# Altium PCB RFFE-Ver1A.PcbDoc (part 3 of 7)
Units mm, origin at the board's own origin, x right, y up, seen from the top; angles counter-clockwise.
Board outline 301.4 x 196.6 mm, 10 copper layers (RFsignal Top, Ground RF signal, Supply, SupplyGND, Digital signal, DigitalGND, CallTone RF, Ground Calltone, Ground RF signal (Plane6), RFsignal Bottom), stack 1.907 mm thick; 558 components, 369 nets, 2153 pads, 4580 vias.
Unrouted connection lines stored in the file: 1.
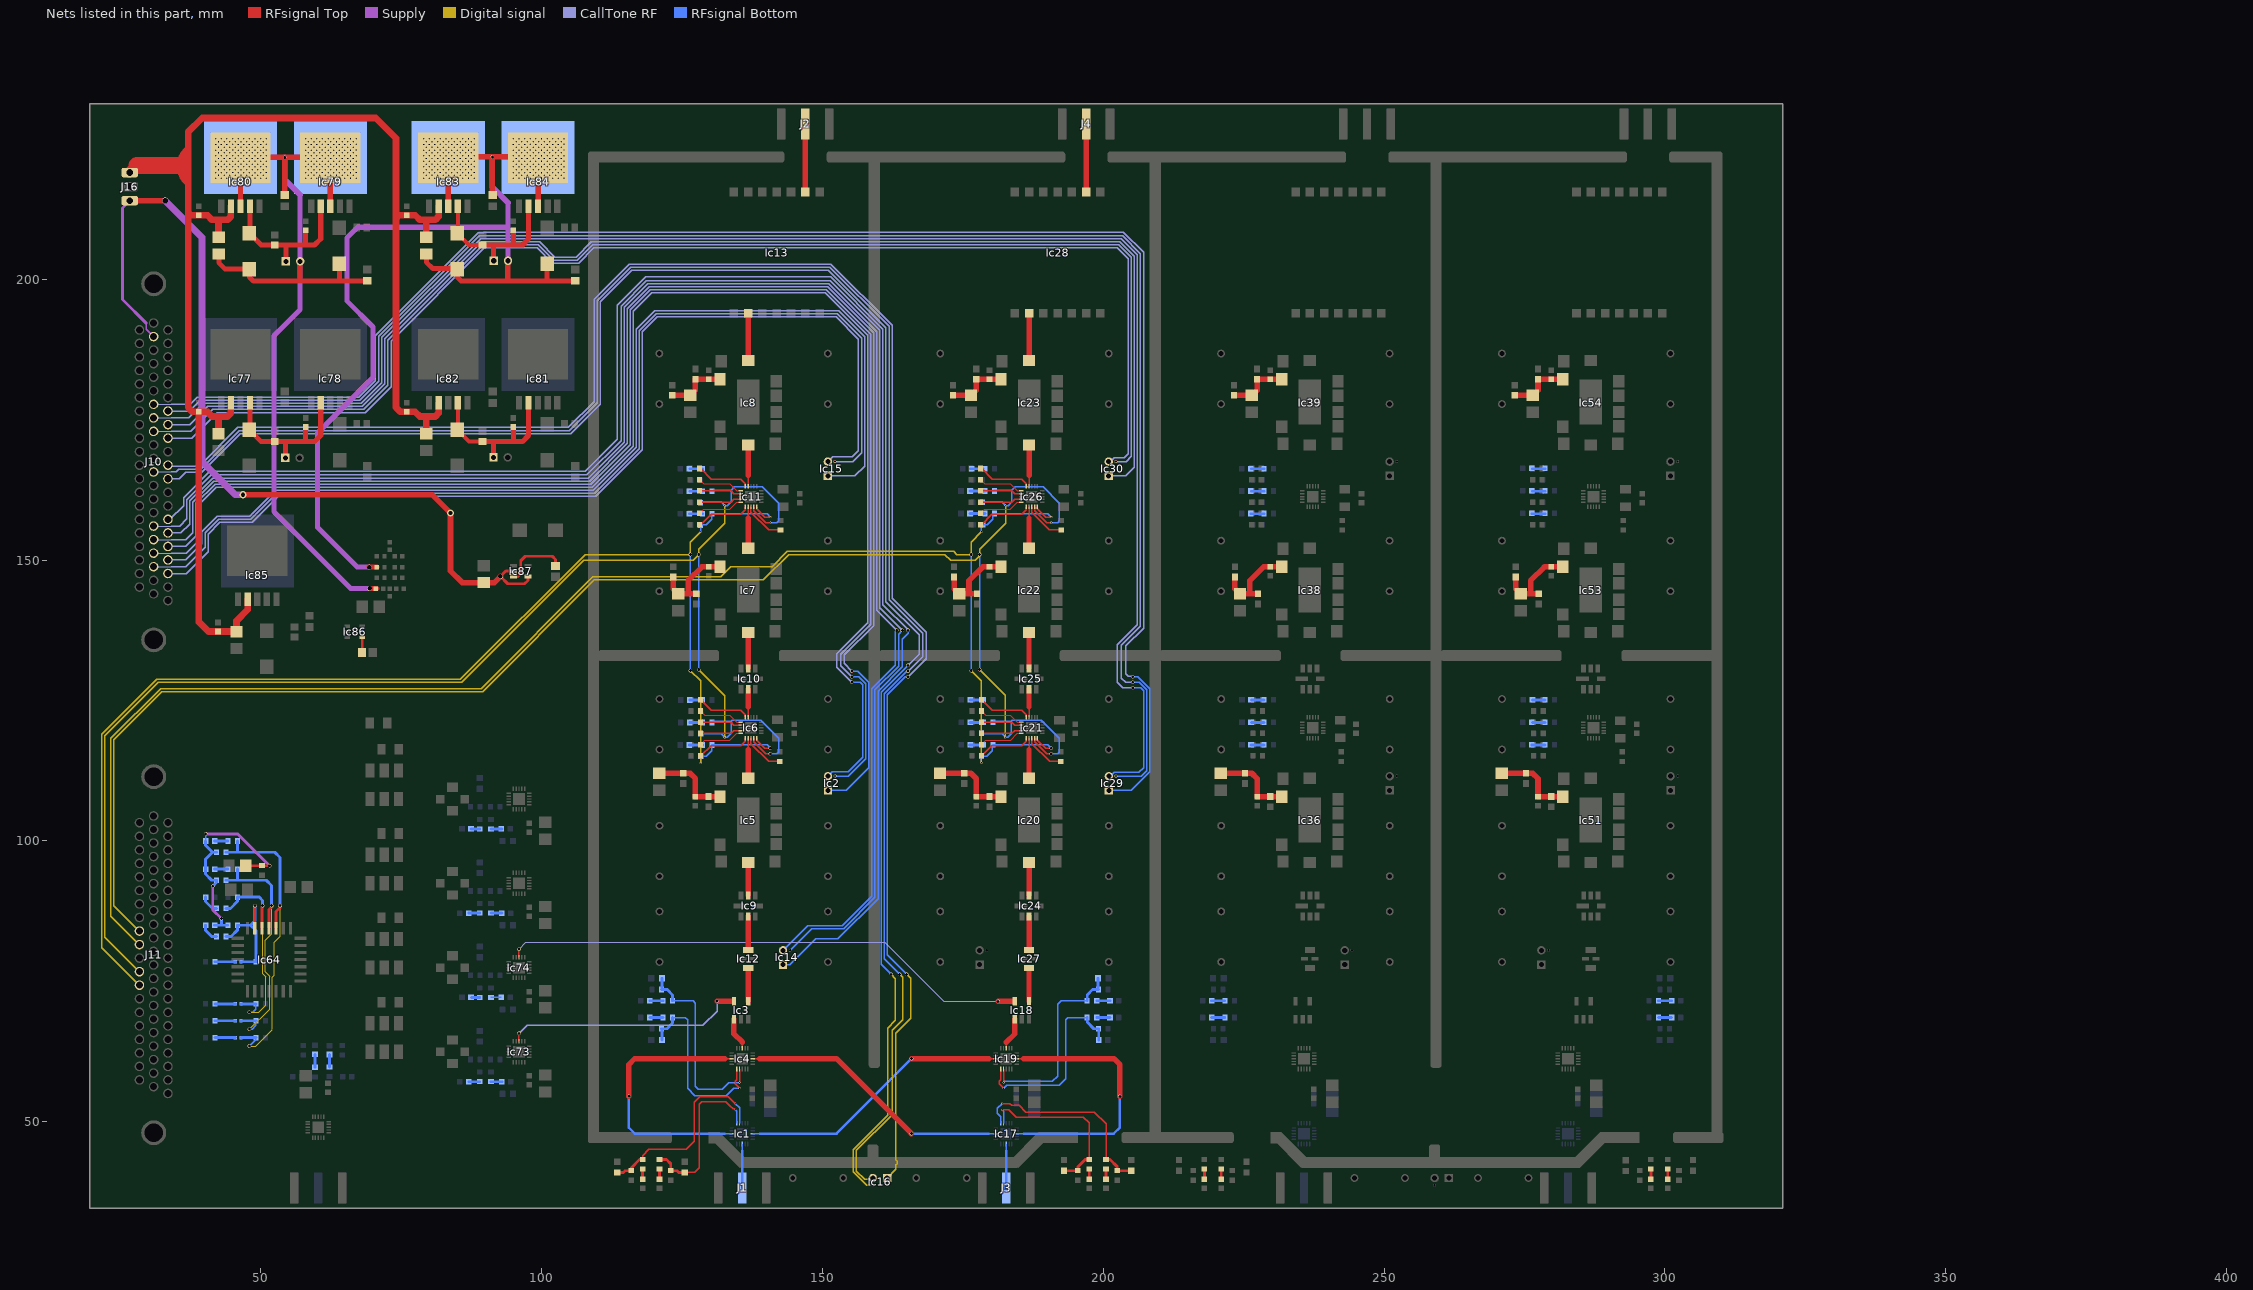
[diagram p11: the nets of this part, all layers, seen from the top]

## Via types
v1: diameter 0.35, hole 0.254, RFsignal Top to RFsignal Bottom, 1882 vias
v2: diameter 0.635, hole 0.508, RFsignal Top to RFsignal Bottom, 1038 vias
v3: diameter 0.33, hole 0.254, RFsignal Top to RFsignal Bottom, 963 vias
v4: diameter 0.381, hole 0.254, RFsignal Top to RFsignal Bottom, 596 vias
v5: diameter 1.27, hole 0.762, RFsignal Top to RFsignal Bottom, 41 vias
v6: diameter 3.9, hole 2.65, RFsignal Top to RFsignal Bottom, 20 vias
v7: diameter 0.85, hole 0.8, RFsignal Top to RFsignal Bottom, 15 vias
v8: diameter 0.635, hole 0.508, RFsignal Top to RFsignal Bottom, tented bottom, 9 vias
v9: diameter 0.6, hole 0.508, RFsignal Top to RFsignal Bottom, 8 vias
v10: diameter 5, hole 3.5, RFsignal Top to RFsignal Bottom, 4 vias
v11: diameter 1.1, hole 1, RFsignal Top to RFsignal Bottom, 2 vias
v12: diameter 1.27, hole 0.762, RFsignal Top to RFsignal Bottom, tented top, 1 vias
v13: diameter 0.85, hole 0.8, RFsignal Top to RFsignal Bottom, tented top, 1 vias

## Nets (pads, with @x,y where several pads share a name; then routed paths per layer and width w, separated by ;. In a path a pad name is that pad's centre, name@x,y a point inside that pad or via, vN(x,y) a via of type N, cw(c..) or ccw(c..) an arc to the next point about the centre after c; other vN are vias at no path point) (continued)
GNDCHC: C114.2 C115.2 C117.2 Ic79.3 Ic79.6 Ic80.3 Ic80.6 J12.2 Jmp1.1 pad.@46.4,221.65 pad.@62.4,221.65 R259.2 R260.2 | length 166.6
  RFsignal Top w0.9: C117.2@42.55,204.5 42.55,202.95 43.7,201.8 C114.2@48,201.8 48,200.4 48.7,199.7 R260.2@68.95,199.7 ; Ic80.3@46.4,213 Ic80.6@46.4,221.65 ; 57.04,199.74 J12.2@57.04,203.2 ; 64,199.75 C115.2@64,202.8 ; v7(69.4,144.96) Jmp1.1@70.69,144.96
  RFsignal Top w1: Ic80.6@46.45,221.7 v2(54.3,221.7) ; R259.2@54.3,215.05 v2(54.3,221.7) ; Ic79.6@62.35,221.7 v2(54.3,221.7) ; Ic79.3@62.4,213 Ic79.6@62.4,221.65
  Supply w0.9: 57.04,215.04 J12.2@57.04,203.2 57.04,194.61 52.345,189.915 52.345,158.655 66.04,144.96 v7(69.4,144.96)
  Supply w1: v2(54.3,221.7) 54.3,217.78 57.04,215.04
  other v1: 42,218 43,218 44,218 45,218.013 46,218 47,218 48,218 49,218 50,218 51,218.013 58,218 59,218 60,218 61,218.013 62,218 63,218 64,218 65,218 66,218 67,218.013 42.5,218.5 43.5,218.5 44.5,218.5 46.5,218.5 47.5,218.5 48.5,218.5 49.5,218.5 50.5,218.5 58.5,218.5 59.5,218.5 60.5,218.5 62.5,218.5 63.5,218.5 64.5,218.5 65.5,218.5 66.5,218.5 45.5,218.513 61.5,218.513 42,219 43,219 44,219 46,219 47,219 48,219 49,219 50,219 58,219 59,219 60,219 62,219 63,219 64,219 65,219 66,219 45,219.013 51,219.013 61,219.013 67,219.013 42.5,219.5 43.5,219.5 44.5,219.5 45.5,219.513 46.5,219.5 47.5,219.5 48.5,219.5 49.5,219.5 50.5,219.5 58.5,219.5 59.5,219.5 60.5,219.5 61.5,219.513 62.5,219.5 63.5,219.5 64.5,219.5 65.5,219.5 66.5,219.5 42,220 43,220 44,220 46,220 47,220 48,220 49,220 50,220 58,220 59,220 60,220 62,220 63,220 64,220 65,220 66,220 45,220.013 51,220.013 61,220.013 67,220.013 42.5,220.5 43.5,220.5 44.5,220.5 46.5,220.5 47.5,220.5 48.5,220.5 49.5,220.5 50.5,220.5 58.5,220.5 59.5,220.5 60.5,220.5 62.5,220.5 63.5,220.5 64.5,220.5 65.5,220.5 66.5,220.5 45.5,220.513 61.5,220.513 42,221 43,221 44,221 45,221.013 46,221 47,221 48,221 49,221 50,221 51,221.013 58,221 59,221 60,221 61,221.013 62,221 63,221 64,221 65,221 66,221 67,221.013 42.5,221.5 43.5,221.5 44.5,221.5 46.5,221.5 47.5,221.5 48.5,221.5 49.5,221.5 50.5,221.5 58.5,221.5 59.5,221.5 60.5,221.5 62.5,221.5 63.5,221.5 64.5,221.5 65.5,221.5 66.5,221.5 45.5,221.513 61.5,221.513 42,222 43,222 44,222 46,222 47,222 48,222 49,222 50,222 58,222 59,222 60,222 62,222 63,222 64,222 65,222 66,222 45,222.013 51,222.013 61,222.013 67,222.013 42.5,222.5 43.5,222.5 44.5,222.5 45.5,222.513 46.5,222.5 47.5,222.5 48.5,222.5 49.5,222.5 50.5,222.5 58.5,222.5 59.5,222.5 60.5,222.5 61.5,222.513 62.5,222.5 63.5,222.5 64.5,222.5 65.5,222.5 66.5,222.5 42,223 43,223 44,223 45,223.013 46,223 47,223 48,223 49,223 50,223 51,223.013 58,223 59,223 60,223 61,223.013 62,223 63,223 64,223 65,223 66,223 67,223.013 42.5,223.5 43.5,223.5 44.5,223.5 46.5,223.5 47.5,223.5 48.5,223.5 49.5,223.5 50.5,223.5 58.5,223.5 59.5,223.5 60.5,223.5 62.5,223.5 63.5,223.5 64.5,223.5 65.5,223.5 66.5,223.5 45.5,223.513 61.5,223.513 42,224 43,224 44,224 45,224.013 46,224 47,224 48,224 49,224 50,224 51,224.013 58,224 59,224 60,224 61,224.013 62,224 63,224 64,224 65,224 66,224 67,224.013 42.5,224.5 43.5,224.5 44.5,224.5 45.5,224.513 46.5,224.5 47.5,224.5 48.5,224.5 49.5,224.5 50.5,224.5 58.5,224.5 59.5,224.5 60.5,224.5 61.5,224.513 62.5,224.5 63.5,224.5 64.5,224.5 65.5,224.5 66.5,224.5 42,225 43,225 44,225 46,225 47,225 48,225 49,225 50,225 58,225 59,225 60,225 62,225 63,225 64,225 65,225 66,225 45,225.013 51,225.013 61,225.013 67,225.013
GNDCHD: C120.2 C121.2 C123.2 Ic83.3 Ic83.6 Ic84.3 Ic84.6 J14.2 Jmp2.1 pad.@83.4,221.65 pad.@99.4,221.65 R271.2 R272.2 | length 196.6
  RFsignal Top w0.9: v7(69.32,148.76) Jmp2.1@70.69,148.76 ; C123.2@79.5,204.6 79.5,203.05 80.65,201.9 C120.2@84.95,201.9 ; C120.2@85,201.8 85,200.4 85.7,199.7 R272.2@105.95,199.7 ; 93.99,199.84 J14.2@93.99,203.3 ; 101,199.75 C121.2@101,202.8
  RFsignal Top w1: Ic83.3@83.4,213 Ic83.6@83.4,221.65 ; Ic83.6@83.4,221.8 v2(91.25,221.8) ; R271.2@91.25,215.1 v2(91.25,221.8) ; Ic84.6@99.3,221.8 v2(91.25,221.8) ; Ic84.3@99.4,213 Ic84.6@99.4,221.65
  Supply w0.9: v7(69.32,148.76) 67.193,148.76 60.122,155.831 60.122,172.632 70.01,182.52 70.01,191.495 65.35,196.155 65.35,207.35 67.26,209.26 93.97,209.26 ; J14.2@94.04,203.3 94.04,213.635
  Supply w1: v2(91.25,221.8) 91.25,216.425 94.04,213.635
  other v1: 79,218 80,218 81,218 82,218.013 83,218 84,218 85,218 86,218 87,218 88,218.013 95,218 96,218 97,218 98,218.013 99,218 100,218 101,218 102,218 103,218 104,218.013 79.5,218.5 80.5,218.5 81.5,218.5 83.5,218.5 84.5,218.5 85.5,218.5 86.5,218.5 87.5,218.5 95.5,218.5 96.5,218.5 97.5,218.5 99.5,218.5 100.5,218.5 101.5,218.5 102.5,218.5 103.5,218.5 82.5,218.513 98.5,218.513 79,219 80,219 81,219 83,219 84,219 85,219 86,219 87,219 95,219 96,219 97,219 99,219 100,219 101,219 102,219 103,219 82,219.013 88,219.013 98,219.013 104,219.013 79.5,219.5 80.5,219.5 81.5,219.5 82.5,219.513 83.5,219.5 84.5,219.5 85.5,219.5 86.5,219.5 87.5,219.5 95.5,219.5 96.5,219.5 97.5,219.5 98.5,219.513 99.5,219.5 100.5,219.5 101.5,219.5 102.5,219.5 103.5,219.5 79,220 80,220 81,220 83,220 84,220 85,220 86,220 87,220 95,220 96,220 97,220 99,220 100,220 101,220 102,220 103,220 82,220.013 88,220.013 98,220.013 104,220.013 79.5,220.5 80.5,220.5 81.5,220.5 83.5,220.5 84.5,220.5 85.5,220.5 86.5,220.5 87.5,220.5 95.5,220.5 96.5,220.5 97.5,220.5 99.5,220.5 100.5,220.5 101.5,220.5 102.5,220.5 103.5,220.5 82.5,220.513 98.5,220.513 79,221 80,221 81,221 82,221.013 83,221 84,221 85,221 86,221 87,221 88,221.013 95,221 96,221 97,221 98,221.013 99,221 100,221 101,221 102,221 103,221 104,221.013 79.5,221.5 80.5,221.5 81.5,221.5 83.5,221.5 84.5,221.5 85.5,221.5 86.5,221.5 87.5,221.5 95.5,221.5 96.5,221.5 97.5,221.5 99.5,221.5 100.5,221.5 101.5,221.5 102.5,221.5 103.5,221.5 82.5,221.513 98.5,221.513 79,222 80,222 81,222 83,222 84,222 85,222 86,222 87,222 95,222 96,222 97,222 99,222 100,222 101,222 102,222 103,222 82,222.013 88,222.013 98,222.013 104,222.013 79.5,222.5 80.5,222.5 81.5,222.5 82.5,222.513 83.5,222.5 84.5,222.5 85.5,222.5 86.5,222.5 87.5,222.5 95.5,222.5 96.5,222.5 97.5,222.5 98.5,222.513 99.5,222.5 100.5,222.5 101.5,222.5 102.5,222.5 103.5,222.5 79,223 80,223 81,223 82,223.013 83,223 84,223 85,223 86,223 87,223 88,223.013 95,223 96,223 97,223 98,223.013 99,223 100,223 101,223 102,223 103,223 104,223.013 79.5,223.5 80.5,223.5 81.5,223.5 83.5,223.5 84.5,223.5 85.5,223.5 86.5,223.5 87.5,223.5 95.5,223.5 96.5,223.5 97.5,223.5 99.5,223.5 100.5,223.5 101.5,223.5 102.5,223.5 103.5,223.5 82.5,223.513 98.5,223.513 79,224 80,224 81,224 82,224.013 83,224 84,224 85,224 86,224 87,224 88,224.013 95,224 96,224 97,224 98,224.013 99,224 100,224 101,224 102,224 103,224 104,224.013 79.5,224.5 80.5,224.5 81.5,224.5 82.5,224.513 83.5,224.5 84.5,224.5 85.5,224.5 86.5,224.5 87.5,224.5 95.5,224.5 96.5,224.5 97.5,224.5 98.5,224.513 99.5,224.5 100.5,224.5 101.5,224.5 102.5,224.5 103.5,224.5 79,225 80,225 81,225 83,225 84,225 85,225 86,225 87,225 95,225 96,225 97,225 99,225 100,225 101,225 102,225 103,225 82,225.013 88,225.013 98,225.013 104,225.013
NetC1_2: C1.2 C131.1 C132.1 Ic5.7 L1.1 | length 14.5
  RFsignal Top w1: C131.1@120.95,112.05 L1.1@125.25,112.05 126.45,112.05 127.4,111.1 C1.2@127.4,107.9 127.44,107.86 Ic5.7@131.79,107.86
NetC2_1: C2.1 C133.1 C134.1 Ic8.7 L2.2 | length 10.9
  RFsignal Top w1: L2.2@123.28,179.34 C133.1@126.47,179.34 127.4,180.27 C134.1@127.4,182.22 C2.1@129.75,182.22 Ic8.7@131.8,182.22
NetC3_2: C3.2 C135.1 C136.1 Ic7.7 L3.1 | length 15.6
  RFsignal Top w1: L3.1@123.45,147 123.45,144.9 C135.1@124.35,144 C136.1@127.55,144 ; 126.1,144 126.1,146.35 128.55,148.8 C3.2@129.75,148.8 Ic7.7@131.78,148.8
NetC8_1: C8.1 R22.1 | length 2.2
  RFsignal Bottom w0.508: C8.1@126.4,125.1 R22.1@128.65,125.1
NetC9_1: C9.1 R23.1 | length 2.2
  RFsignal Bottom w0.508: C9.1@126.4,121.1 R23.1@128.65,121.1
NetC10_1: C10.1 R24.1 | length 2.3
  RFsignal Bottom w0.508: C10.1@126.3,117.1 R24.1@128.65,117.1
NetC11_1: C11.1 R27.1 | length 2.2
  RFsignal Bottom w0.508: C11.1@126.4,166.27 R27.1@128.65,166.27
NetC12_1: C12.1 R28.1 | length 2.2
  RFsignal Bottom w0.508: C12.1@126.4,162.27 R28.1@128.65,162.27
NetC13_1: C13.1 R29.1 | length 2.3
  RFsignal Bottom w0.508: C13.1@126.3,158.27 R29.1@128.65,158.27
NetC14_2: C14.2 R30.1 | length 3.7
  RFsignal Top w0.508: C14.2@121,39.75 C14.2@120.98,39.75 ; R30.1@121,41.6 R30.1@120.98,41.6 ; C14.2@120.98,39.75 R30.1@120.98,41.6 ; C14.2@120.98,39.75 R30.1@120.98,41.6
NetC15_2: C15.2 R31.1 | length 1.9
  RFsignal Top w0.508: C15.2@118,39.75 R31.1@118,41.6
NetC16_2: C16.2 R32.1 | length 2.4
  RFsignal Bottom w0.508: C16.2@119.3,68.57 R32.1@121.65,68.57
NetC17_2: C17.2 R33.1 | length 2.4
  RFsignal Bottom w0.508: C17.2@119.3,71.57 R33.1@121.65,71.57
NetC22_1: C22.1 C138.1 C140.1 Ic23.7 L4.2 | length 10.9
  RFsignal Top w1: L4.2@173.28,179.34 C138.1@176.47,179.34 177.4,180.27 C140.1@177.4,182.22 C22.1@179.75,182.22 Ic23.7@181.8,182.22
NetC23_2: C23.2 C137.1 C139.1 Ic20.7 L5.1 | length 14.5
  RFsignal Top w1: C137.1@170.95,112.05 L5.1@175.25,112.05 176.45,112.05 177.4,111.1 C23.2@177.4,107.9 177.44,107.86 Ic20.7@181.79,107.86
NetC24_2: C24.2 C141.1 C144.1 Ic22.7 L6.1 | length 15.6
  RFsignal Top w1: L6.1@173.45,147 173.45,144.9 C141.1@174.35,144 176.1,144 ; C144.1@177.55,144 176.1,144 ; Ic22.7@181.79,148.81 178.56,148.81 176.1,146.35 176.1,144
NetC29_1: C29.1 R74.1 | length 2.2
  RFsignal Bottom w0.508: C29.1@176.3,125.1 R74.1@178.55,125.1
NetC30_1: C30.1 R75.1 | length 2.2
  RFsignal Bottom w0.508: C30.1@176.3,121.1 R75.1@178.55,121.1
NetC31_1: C31.1 R76.1 | length 2.3
  RFsignal Bottom w0.508: C31.1@176.2,117.1 R76.1@178.55,117.1
NetC32_1: C32.1 R77.1 | length 2.2
  RFsignal Bottom w0.508: C32.1@176.4,166.27 R77.1@178.65,166.27
NetC33_1: C33.1 R78.1 | length 2.7
  RFsignal Bottom w0.508: C33.1@176.28,162.3 R78.1@178.93,162.3
NetC34_1: C34.1 R79.1 | length 2.7
  RFsignal Bottom w0.508: C34.1@176.28,158.3 R79.1@178.93,158.3
NetC35_2: C35.2 R80.1 | length 3.7
  RFsignal Top w0.508: C35.2@200.5,39.75 C35.2@200.508,39.758 ; R80.1@200.5,41.6 R80.1@200.508,41.6 ; C35.2@200.508,39.758 R80.1@200.508,41.6 ; C35.2@200.508,39.758 R80.1@200.508,41.6
NetC36_2: C36.2 R81.1 | length 3.7
  RFsignal Top w0.508: C36.2@197.5,39.75 C36.2@197.51,39.76 ; R81.1@197.5,41.6 R81.1@197.51,41.6 ; C36.2@197.51,39.76 R81.1@197.51,41.6 ; C36.2@197.51,39.76 R81.1@197.51,41.6
NetC37_2: C37.2 R82.1 | length 2.4
  RFsignal Bottom w0.508: R82.1@198.85,68.57 C37.2@201.2,68.57
NetC38_2: C38.2 R83.1 | length 2.4
  RFsignal Bottom w0.508: R83.1@198.85,71.57 C38.2@201.2,71.57
NetC43_1: C43.1 C142.1 C145.1 Ic36.7 L7.1 | length 14.5
  RFsignal Top w1: C142.1@220.95,112.05 L7.1@225.25,112.05 226.45,112.05 227.4,111.1 C43.1@227.4,107.9 227.44,107.86 Ic36.7@231.79,107.86
NetC44_1: C44.1 C147.1 C148.1 Ic39.7 L8.2 | length 10.9
  RFsignal Top w1: L8.2@223.28,179.34 C147.1@226.47,179.34 227.4,180.27 C148.1@227.4,182.22 Ic39.7@231.8,182.22
NetC45_2: C45.2 C143.1 C146.1 Ic38.7 L9.1 | length 15.5
  RFsignal Top w1: L9.1@223.45,147 223.45,144.9 C143.1@224.35,144 C146.1@227.55,144 ; 226.1,144.15 226.1,146.35 228.56,148.81 Ic38.7@231.79,148.81
NetC50_1: C50.1 R122.1 | length 2.2
  RFsignal Bottom w0.508: C50.1@226.4,125.1 R122.1@228.65,125.1
NetC51_1: C51.1 R123.1 | length 2.2
  RFsignal Bottom w0.508: C51.1@226.4,121.1 R123.1@228.65,121.1
NetC52_1: C52.1 R124.1 | length 2.3
  RFsignal Bottom w0.508: C52.1@226.3,117.1 R124.1@228.65,117.1
NetC53_1: C53.1 R125.1 | length 2.2
  RFsignal Bottom w0.508: C53.1@226.4,166.27 R125.1@228.65,166.27
NetC54_1: C54.1 R126.1 | length 2.2
  RFsignal Bottom w0.508: C54.1@226.4,162.27 R126.1@228.65,162.27
NetC55_1: C55.1 R127.1 | length 2.3
  RFsignal Bottom w0.508: C55.1@226.3,158.27 R127.1@228.65,158.27
NetC56_2: C56.2 R128.1 | length 3.7
  RFsignal Top w0.508: C56.2@221,39.75 C56.2@221.005,39.755 ; R128.1@221,41.6 R128.1@221.005,41.6 ; C56.2@221.005,39.755 R128.1@221.005,41.6 ; C56.2@221.005,39.755 R128.1@221.005,41.6
NetC57_2: C57.2 R129.1 | length 3.7
  RFsignal Top w0.508: C57.2@218,39.75 C57.2@218.008,39.758 ; R129.1@218,41.6 R129.1@218.008,41.6 ; C57.2@218.008,39.758 R129.1@218.008,41.6 ; C57.2@218.008,39.758 R129.1@218.008,41.6
NetC58_2: C58.2 R130.1 | length 2.4
  RFsignal Bottom w0.508: C58.2@219.3,68.57 R130.1@221.65,68.57
NetC59_2: C59.2 R131.1 | length 2.4
  RFsignal Bottom w0.508: C59.2@219.3,71.57 R131.1@221.65,71.57
NetC64_2: C64.2 C149.1 C151.1 Ic51.7 L10.1 | length 14.5
  RFsignal Top w1: C149.1@270.95,112.05 L10.1@275.25,112.05 276.45,112.05 277.4,111.1 C64.2@277.4,107.9 281.75,107.9 Ic51.7@281.79,107.86
NetC65_1: C65.1 C153.1 C154.1 Ic54.7 L11.2 | length 10.9
  RFsignal Top w1: L11.2@273.28,179.34 C154.1@276.47,179.34 277.4,180.27 C153.1@277.4,182.22 C65.1@279.75,182.22 Ic54.7@281.8,182.22
NetC66_2: C66.2 C150.1 C152.1 Ic53.7 L12.1 | length 15.5
  RFsignal Top w1: L12.1@273.45,147 273.45,144.9 C150.1@274.35,144 C152.1@277.55,144 ; 276.1,144.15 276.1,146.35 278.56,148.81 Ic53.7@281.79,148.81
NetC72_1: C72.1 R174.1 | length 2.2
  RFsignal Bottom w0.508: C72.1@276.4,125.1 R174.1@278.65,125.1
NetC73_1: C73.1 R175.1 | length 2.2
  RFsignal Bottom w0.508: C73.1@276.4,121.1 R175.1@278.65,121.1
NetC74_1: C74.1 R176.1 | length 2.3
  RFsignal Bottom w0.508: C74.1@276.3,117.1 R176.1@278.65,117.1
NetC75_2: C75.2 R180.1 | length 2.4
  RFsignal Bottom w0.508: R180.1@298.85,68.57 C75.2@301.2,68.57
NetC76_2: C76.2 R181.1 | length 2.4
  RFsignal Bottom w0.508: R181.1@298.85,71.57 C76.2@301.2,71.57
NetC77_1: C77.1 R177.1 | length 2.2
  RFsignal Bottom w0.508: C77.1@276.4,166.27 R177.1@278.65,166.27
NetC78_1: C78.1 R178.1 | length 2.2
  RFsignal Bottom w0.508: C78.1@276.4,162.27 R178.1@278.65,162.27
NetC79_1: C79.1 R179.1 | length 2.3
  RFsignal Bottom w0.508: C79.1@276.3,158.27 R179.1@278.65,158.27
NetC80_2: C80.2 R182.1 | length 1.9
  RFsignal Top w0.508: C80.2@300.5,39.75 R182.1@300.5,41.6
NetC81_2: C81.2 R183.1 | length 3.7
  RFsignal Top w0.508: C81.2@297.5,39.75 C81.2@297.51,39.76 ; R183.1@297.5,41.6 R183.1@297.51,41.6 ; C81.2@297.51,39.76 R183.1@297.51,41.6 ; C81.2@297.51,39.76 R183.1@297.51,41.6
NetC87_1: C87.1 R207.1 | length 2.2
  RFsignal Bottom w0.508: R207.1@62.25,59.74 C87.1@62.25,61.97
NetC88_1: C88.1 R208.1 | length 2.3
  RFsignal Bottom w0.508: R208.1@59.68,59.72 C88.1@59.68,62.02
NetC89_1: C89.1 R209.1 | length 3.2
  RFsignal Bottom w0.508: C89.1@40.2,90 40.2,89.2 41.4,88 R209.1@42.15,88
NetC90_1: C90.1 R210.1 | length 3.3
  RFsignal Bottom w0.508: C90.1@40.2,85 40.2,84.1 41.3,83 R210.1@42.15,83
NetC90_2: C90.2 C91.2 C92.2 C95.1 R216.1 R217.1 R218.1 R219.2 | length 40.4
  RFsignal Top w0.508: C95.1@47.35,95.6 R219.2@50.25,95.6 v2@51.583,95.6
  Supply w0.508: v2@40.284,101.255 45.928,101.255 v2(51.594,95.589) ; v2(41.48,91.932) 41.48,87.703 v2(43.008,86.175)
  RFsignal Bottom w0.254: C91.2@40.204,100.004 v2(40.204,101.255)
  RFsignal Bottom w0.508: C91.2@40.2,100 40.2,99.25 41.45,98 ; v2(41.48,91.932) 42.15,92.602 R218.1@42.15,93 41.3,93 40.2,94.1 C92.2@40.2,95 40.2,96.75 41.45,98 ; C90.2@41.8,85 R216.1@44.15,85 ; R217.1@42.15,98 41.45,98 ; 43.008,85.031 v2(43.008,86.175)
NetC91_1: C91.1 R211.1 | length 2.4
  RFsignal Bottom w0.508: C91.1@41.8,100 R211.1@44.15,100
NetC92_1: C92.1 R212.1 | length 2.4
  RFsignal Bottom w0.508: C92.1@41.8,95 R212.1@44.15,95
NetC96_1: C96.1 R233.1 | length 1.9
  RFsignal Bottom w0.508: C96.1@87.05,57.15 R233.1@89,57.15
NetC97_1: C97.1 R234.1 | length 1.9
  RFsignal Bottom w0.508: R234.1@91,57.15 C97.1@92.95,57.15
NetC98_1: C98.1 R235.1 | length 1.5
  RFsignal Bottom w0.508: C98.1@87.525,72.15 R235.1@89,72.15
NetC99_1: C99.1 R236.1 | length 1.8
  RFsignal Bottom w0.254: R236.1@91,72.15 C99.1@92.85,72.15
NetC100_1: C100.1 R237.1 | length 1.5
  RFsignal Bottom w0.508: C100.1@87.45,102.15 R237.1@89,102.15
NetC101_1: C101.1 R238.1 | length 1.9
  RFsignal Bottom w0.508: R238.1@91,102.15 C101.1@92.95,102.15
NetC102_1: C102.1 R239.1 | length 1.9
  RFsignal Bottom w0.508: C102.1@87.05,87.15 R239.1@89,87.15
NetC103_1: C103.1 R240.1 | length 1.9
  RFsignal Bottom w0.508: R240.1@91,87.15 C103.1@92.95,87.15
NetC112_1: C112.1 Ic77.4 Ic78.2 J13.1 R250.2 R253.1 | length 30.1
  RFsignal Top w0.9: Ic77.4@48.102,178 48.102,173.302 C112.1@48,173.2 50.1,171.1 R253.1@52.5,171.1 59.6,171.1 60.698,172.198 Ic78.2@60.698,178 ; J13.1@54.45,168.2 54.45,171 ; 58,171.1 R250.2@58,173.7
NetC114_1: C114.1 Ic79.2 Ic80.4 J12.1 R252.2 R255.1 | length 29.9
  RFsignal Top w0.9: C114.1@48,208.2 50.1,206.1 58,206.1 ; C114.1@48.102,208.302 Ic80.4@48.102,213 ; J12.1@54.5,203.2 54.5,206 ; R252.2@58,208.7 58,206.1 ; Ic79.2@60.698,213 60.698,207.198 59.6,206.1 58,206.1
NetC116_1: C116.1 C117.1 C122.1 C123.1 C128.1 Ic77.2 Ic80.2 Ic82.2 Ic83.2 Ic85.2 J16.1 R249.2 R251.2 R261.2 R263.2 R273.2 | length 260.3
  RFsignal Top w0.508: 37.1,212.6 cw(c36,211.4) 37.628,211.4 ; 74.1,212.51 cw(c73,211.31) 74.2,210.21
  RFsignal Top w1.2: 37.137,211.4 37.628,211.4 R251.2@39,211.4 40.52,211.4 41.341,210.579 44.101,210.579 44.698,211.176 Ic80.2@44.698,213 ; C116.1@42.5,172.5 42.5,175.577 ; C117.1@42.5,207.5 42.5,210.577 ; Ic77.2@44.698,178 44.698,176.176 44.101,175.579 41.341,175.579 40.52,176.4 R249.2@39,176.4 ; C128.1@45.65,137.3 R273.2@42.4,137.3 40.7,137.3 39,139 R249.2@39,176.4 ; C128.1@45.7,137.25 45.7,139.2 47.698,141.198 Ic85.2@47.698,143 ; 74.137,211.4 77.52,211.4 78.341,210.579 81.101,210.579 81.698,211.176 Ic83.2@81.698,213 ; C122.1@79.5,172.5 79.5,175.577 ; C123.1@79.5,207.5 79.5,210.577 ; Ic82.2@81.698,178 81.698,176.176 81.101,175.579 78.341,175.579 77.52,176.4 R261.2@76,176.4 74.9,176.4 74.1,177.2 74.1,225.1 70.5,228.7 39.6,228.7 37.1,226.2 37.1,212.6 37.1,177.2 37.9,176.4 R249.2@39,176.4
  RFsignal Top w1.4: 36.85,222.85 ccw(c39.575,220.175) 36.9,217.45
  RFsignal Top w2: J16.1@26.7,219 27.95,220.25
  RFsignal Top w3: 27.95,220.25 35.85,220.25
NetC118_1: C118.1 Ic81.2 Ic82.4 J15.1 R262.2 R265.1 | length 29.9
  RFsignal Top w0.7: C118.1@85,173.2 87.1,171.1 R265.1@89.5,171.1 ; C118.1@85.102,173.302 Ic82.4@85.102,178
  RFsignal Top w0.9: R265.1@89.5,171.1 96.6,171.1 97.698,172.198 Ic81.2@97.698,178 ; J15.1@91.45,168.2 91.45,171 ; 95,171.1 R262.2@95,173.7
NetC120_1: C120.1 Ic83.4 Ic84.2 J14.1 R264.2 R267.1 | length 29.9
  RFsignal Top w0.7: C120.1@85,208.2 87.1,206.1 R267.1@89.5,206.1 ; C120.1@85.102,208.302 Ic83.4@85.102,213